# EAGLE board Mk4 Final Panel (EAGLE 9.0.1), part 14 of 18 (continued)
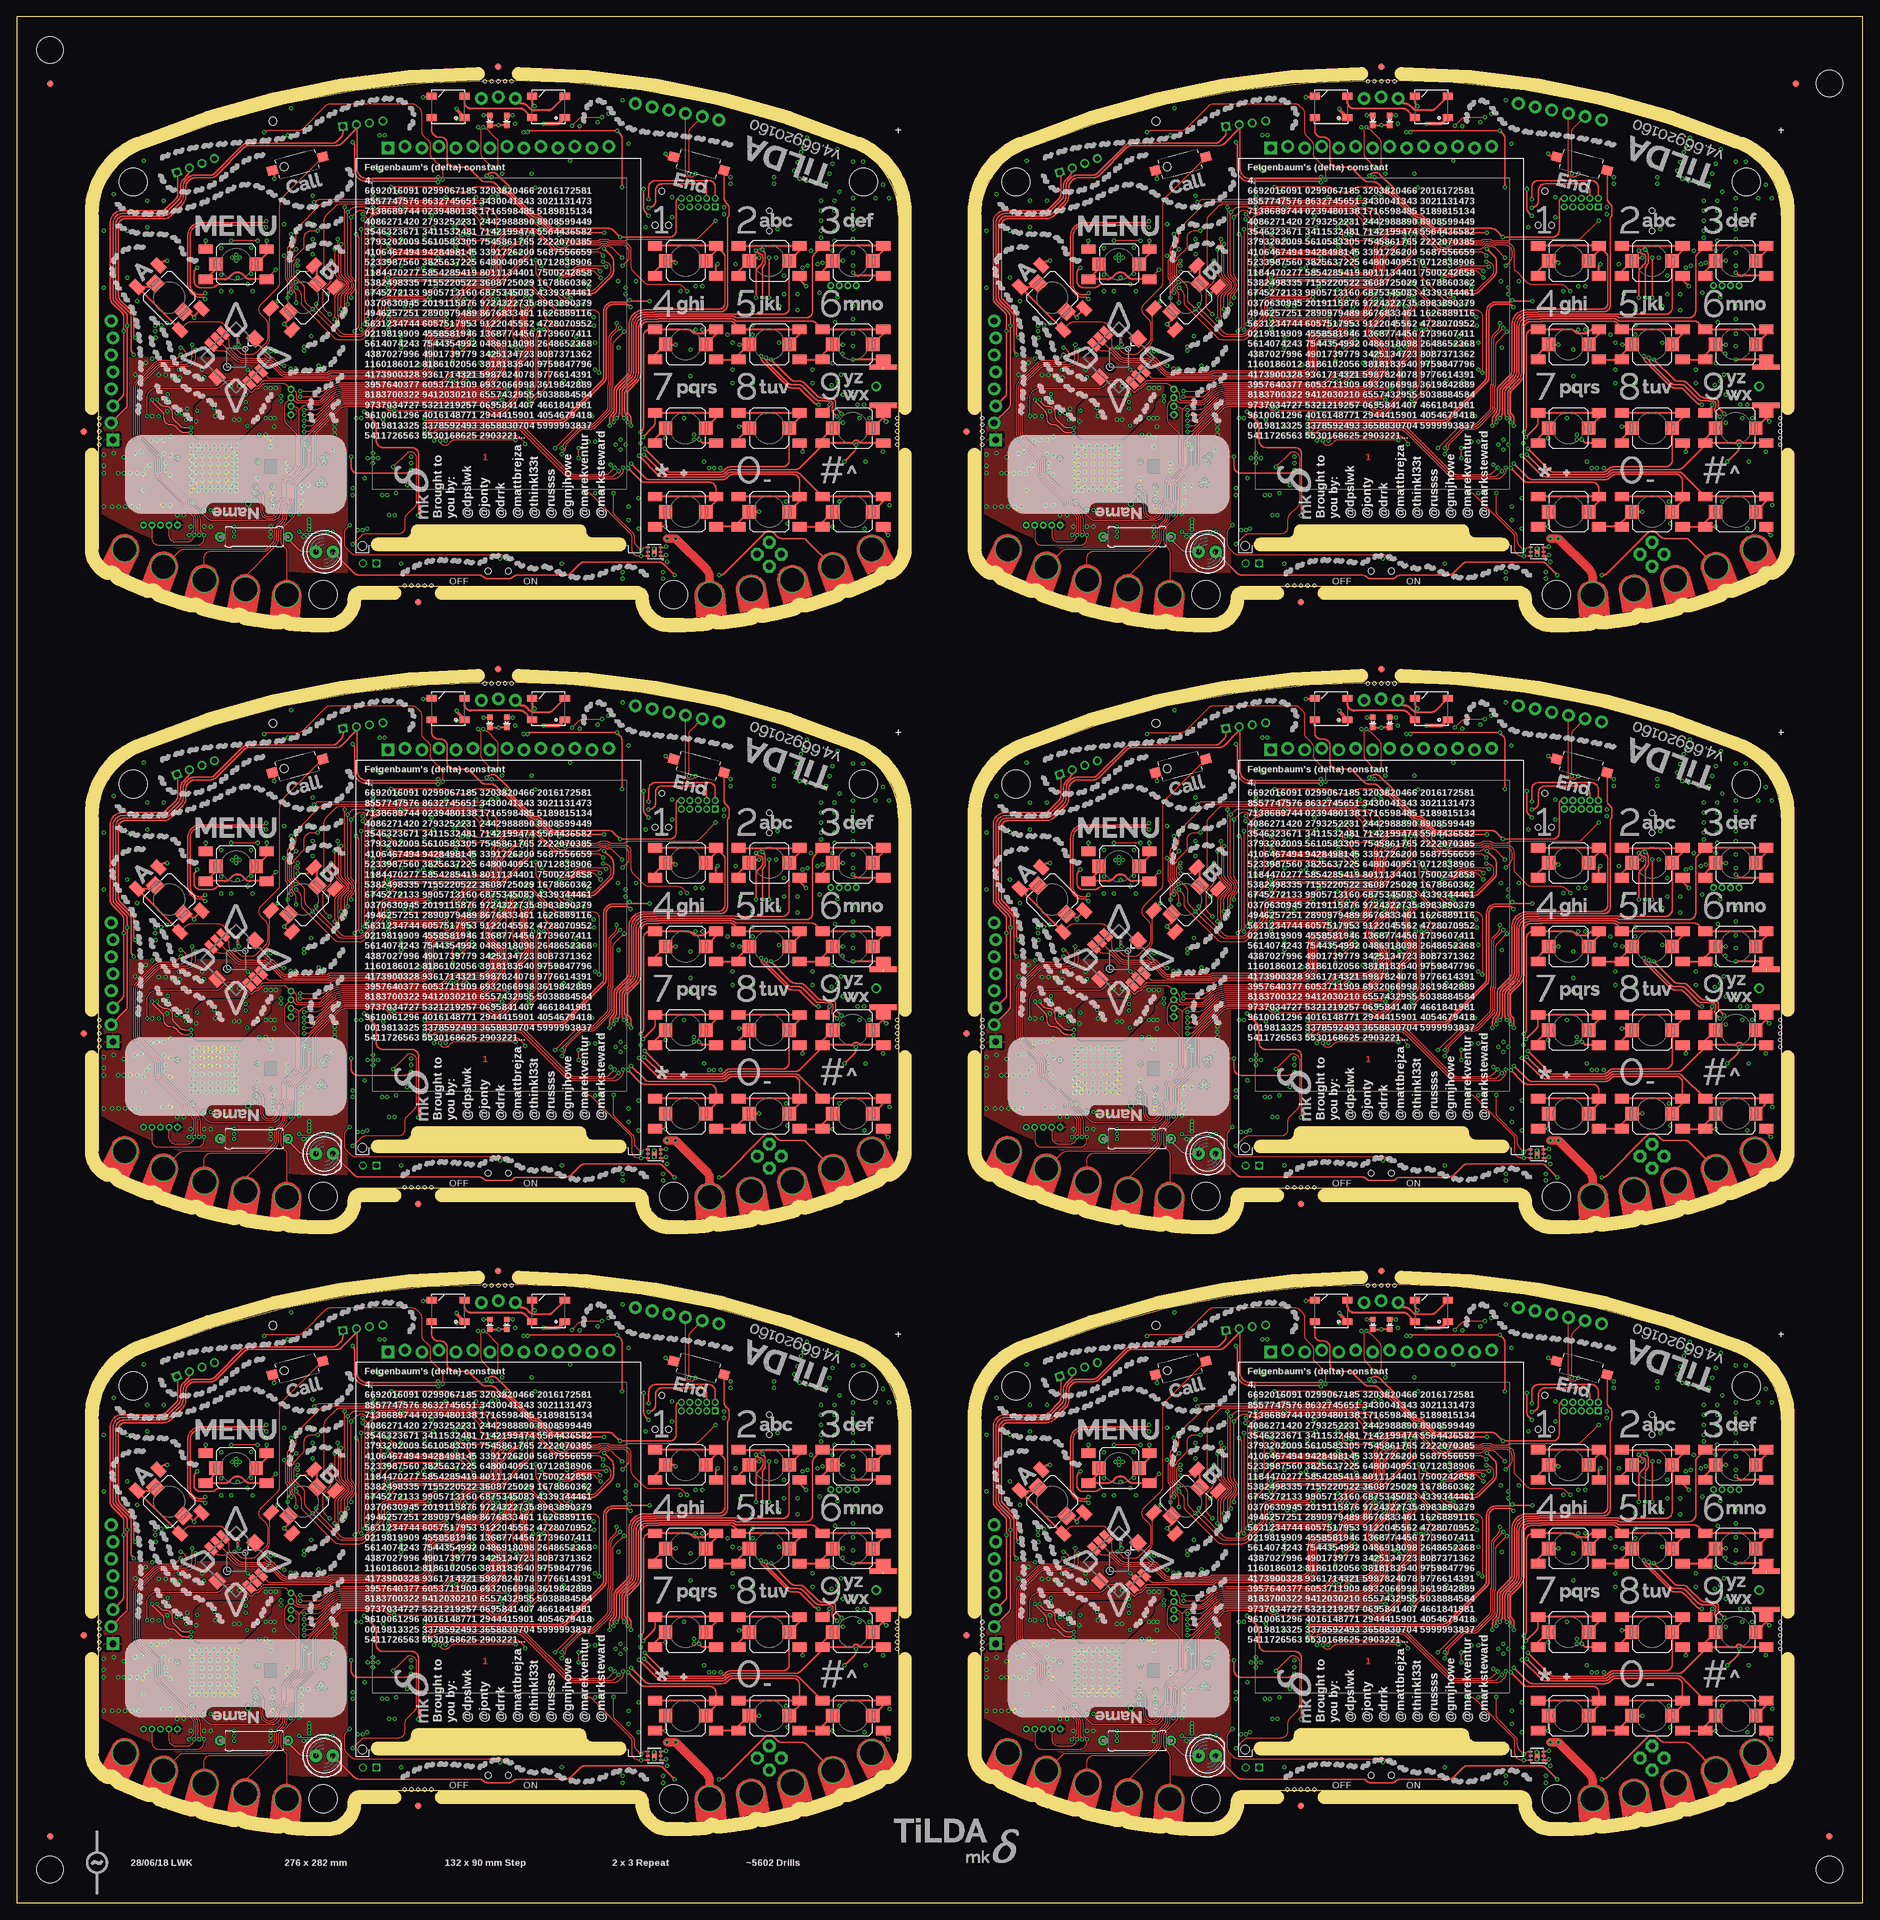
[diagram p0: board, top side]
## Tracks (layer width: path | path; a pad name or v marks a point on that pad's centre or on a via) (continued)
SIM_VDD4
  Bottom 0.3: C482.2 arc-45 127.5,206.85 127.5,208.84 arc-45 127.79,209.54 128.4,210.15 arc-45 129.1,210.44 J44.C1 130.11,211.2 arc-45 130.4,211.9 130.46,211.96 arc45 130.75,212.66 130.75,213.25 arc90 129.75,214.25 126,214.25 arc-90 125,215.25 125,216.09 arc45 124.71,216.79 124.54,216.96 arc-45 124.25,217.66 124.25,218.75 arc90 123.25,219.75 122.91,219.75 arc-45 122.21,220.04 121.54,220.71 arc-45 121.25,221.41 121.25,222.5 120.85,222.9 IC79.5 120.58,224.59 arc45 120.28,225.29 119.37,226.21 arc45 118.66,226.5 115.91,226.5 arc-45 115.21,226.79 113.79,228.21 arc-45 113.5,228.91 113.5,230.94 arc45 113.28,231.47 112.47,232.28 arc-45 112.25,232.81 112.25,238.34 arc-45 112.54,239.04 113.31,239.81 arc45 113.6,240.51 IC75.18
SIM_VDD5
  Bottom 0.3: C590.2 arc-45 259.5,206.85 259.5,208.84 arc-45 259.79,209.54 260.4,210.15 arc-45 261.1,210.44 J54.C1 262.11,211.2 arc-45 262.4,211.9 262.46,211.96 arc45 262.75,212.66 262.75,213.25 arc90 261.75,214.25 258,214.25 arc-90 257,215.25 257,216.09 arc45 256.71,216.79 256.54,216.96 arc-45 256.25,217.66 256.25,218.75 arc90 255.25,219.75 254.91,219.75 arc-45 254.21,220.04 253.54,220.71 arc-45 253.25,221.41 253.25,222.5 252.85,222.9 IC97.5 252.57,224.59 arc45 252.28,225.29 251.37,226.21 arc45 250.66,226.5 247.91,226.5 arc-45 247.21,226.79 245.79,228.21 arc-45 245.5,228.91 245.5,230.94 arc45 245.28,231.47 244.47,232.28 arc-45 244.25,232.81 244.25,238.34 arc-45 244.54,239.04 245.31,239.81 arc45 245.6,240.51 IC93.18
SOP0  (via drill 0.3)
  Top 0.2: v26.05,40.55 25.11,40.55 arc-45 24.41,40.84 23.54,41.71 arc-45 23.25,42.41 23.25,42.75 arc90 22.25,43.75 22.16,43.75 arc-45 21.46,44.04 21.18,44.32 arc-45 v21,44.75
  Bottom 0.2: IC15.35 26.75,39.44 arc45 26.46,40.14 v26.05,40.55 | R64.1 22.25,46.65 21.44,45.84 arc45 21,44.78 v21,44.75
SOP1  (via drill 0.3)
  Top 0.2: v20.25,44.75 arc45 20.43,44.32 21.71,43.04 arc-45 22,42.34 22,42 arc90 23,41 23.06,41 arc-45 23.77,40.71 24.38,40.09 arc45 25.09,39.8 v26,39.8
  Bottom 0.2: IC15.34 26.25,39.34 arc45 26.1,39.7 v26,39.8 | R63.1 21.2,46.7 20.69,46.19 arc45 20.25,45.13 v20.25,44.75
SOP2
  Bottom 0.15: IC15.21 24.42,32.75 arc90 24.17,32.5 24.17,29.43 R62.1
SOP3
  Bottom 0.15: IC29.21 156.43,32.75 arc90 156.18,32.5 156.18,29.43 R140.1
SOP4  (via drill 0.3)
  Top 0.2: v152.25,44.75 arc45 152.43,44.32 153.71,43.04 arc-45 154,42.34 154,42 arc90 155,41 155.06,41 arc-45 155.76,40.71 156.38,40.09 arc45 157.09,39.8 v158,39.8
  Bottom 0.2: IC29.34 158.25,39.34 arc45 158.1,39.7 v158,39.8 | R141.1 153.2,46.7 152.69,46.19 arc45 152.25,45.13 v152.25,44.75
SOP5  (via drill 0.3)
  Top 0.2: v158.05,40.55 157.11,40.55 arc-45 156.41,40.84 155.54,41.71 arc-45 155.25,42.41 155.25,42.75 arc90 154.25,43.75 154.16,43.75 arc-45 153.46,44.04 153.18,44.32 arc-45 v153,44.75
  Bottom 0.2: IC29.35 158.75,39.44 arc45 158.46,40.14 v158.05,40.55 | R142.1 154.25,46.65 153.44,45.84 arc45 153,44.78 v153,44.75
SOP6
  Bottom 0.15: IC47.21 24.42,122.75 arc90 24.17,122.5 24.17,119.42 R218.1
SOP7  (via drill 0.3)
  Top 0.2: v20.25,134.75 arc45 20.43,134.32 21.71,133.04 arc-45 22,132.34 22,132 arc90 23,131 23.06,131 arc-45 23.77,130.71 24.38,130.09 arc45 25.09,129.8 v26,129.8
  Bottom 0.2: IC47.34 26.25,129.34 arc45 26.1,129.7 v26,129.8 | R219.1 21.2,136.7 20.69,136.19 arc45 20.25,135.13 v20.25,134.75
SOP8  (via drill 0.3)
  Top 0.2: v26.05,130.55 25.11,130.55 arc-45 24.41,130.84 23.54,131.71 arc-45 23.25,132.41 23.25,132.75 arc90 22.25,133.75 22.16,133.75 arc-45 21.46,134.04 21.18,134.32 arc-45 v21,134.75
  Bottom 0.2: IC47.35 26.75,129.44 arc45 26.46,130.14 v26.05,130.55 | R220.1 22.25,136.65 21.44,135.84 arc45 21,134.78 v21,134.75
SOP9
  Bottom 0.15: IC65.21 156.43,122.75 arc90 156.18,122.5 156.18,119.42 R296.1
SOP10  (via drill 0.3)
  Top 0.2: v152.25,134.75 arc45 152.43,134.32 153.71,133.04 arc-45 154,132.34 154,132 arc90 155,131 155.06,131 arc-45 155.76,130.71 156.38,130.09 arc45 157.09,129.8 v158,129.8
  Bottom 0.2: IC65.34 158.25,129.34 arc45 158.1,129.7 v158,129.8 | R297.1 153.2,136.7 152.69,136.19 arc45 152.25,135.13 v152.25,134.75
SOP11  (via drill 0.3)
  Top 0.2: v158.05,130.55 157.11,130.55 arc-45 156.41,130.84 155.54,131.71 arc-45 155.25,132.41 155.25,132.75 arc90 154.25,133.75 154.16,133.75 arc-45 153.46,134.04 153.18,134.32 arc-45 v153,134.75
  Bottom 0.2: IC65.35 158.75,129.44 arc45 158.46,130.14 v158.05,130.55 | R298.1 154.25,136.65 153.44,135.84 arc45 153,134.78 v153,134.75
SOP12
  Bottom 0.15: IC83.21 24.42,212.75 arc90 24.17,212.5 24.17,209.43 R374.1
SOP13  (via drill 0.3)
  Top 0.2: v20.25,224.75 arc45 20.43,224.32 21.71,223.04 arc-45 22,222.34 22,222 arc90 23,221 23.06,221 arc-45 23.77,220.71 24.38,220.09 arc45 25.09,219.8 v26,219.8
  Bottom 0.2: IC83.34 26.25,219.34 arc45 26.1,219.7 v26,219.8 | R375.1 21.2,226.7 20.69,226.19 arc45 20.25,225.13 v20.25,224.75
SOP14  (via drill 0.3)
  Top 0.2: v26.05,220.55 25.11,220.55 arc-45 24.41,220.84 23.54,221.71 arc-45 23.25,222.41 23.25,222.75 arc90 22.25,223.75 22.16,223.75 arc-45 21.46,224.04 21.18,224.32 arc-45 v21,224.75
  Bottom 0.2: IC83.35 26.75,219.44 arc45 26.46,220.14 v26.05,220.55 | R376.1 22.25,226.65 21.44,225.84 arc45 21,224.78 v21,224.75
SOP15
  Bottom 0.15: IC101.21 156.43,212.75 arc90 156.18,212.5 156.18,209.43 R452.1
SOP16  (via drill 0.3)
  Top 0.2: v152.25,224.75 arc45 152.43,224.32 153.71,223.04 arc-45 154,222.34 154,222 arc90 155,221 155.06,221 arc-45 155.76,220.71 156.38,220.09 arc45 157.09,219.8 v158,219.8
  Bottom 0.2: IC101.34 158.25,219.34 arc45 158.1,219.7 v158,219.8 | R453.1 153.2,226.7 152.69,226.19 arc45 152.25,225.13 v152.25,224.75
SOP17  (via drill 0.3)
  Top 0.2: v158.05,220.55 157.11,220.55 arc-45 156.41,220.84 155.54,221.71 arc-45 155.25,222.41 155.25,222.75 arc90 154.25,223.75 154.16,223.75 arc-45 153.46,224.04 153.18,224.32 arc-45 v153,224.75
  Bottom 0.2: IC101.35 158.75,219.44 arc45 158.46,220.14 v158.05,220.55 | R454.1 154.25,226.65 153.44,225.84 arc45 153,224.78 v153,224.75
SPK_AMP_N
  Bottom 0.2: IC13.8 31.83,63.17 arc-90 30.83,62.17 28.34,62.17 arc45 27.63,61.88 U5.-
SPK_AMP_N1
  Bottom 0.2: IC28.8 163.82,63.17 arc-90 162.82,62.17 160.34,62.17 arc45 159.63,61.88 U6.-
SPK_AMP_N2
  Bottom 0.2: IC46.8 31.83,153.18 arc-90 30.83,152.18 28.34,152.18 arc45 27.63,151.88 U9.-
SPK_AMP_N3
  Bottom 0.2: IC64.8 163.82,153.18 arc-90 162.82,152.18 160.34,152.18 arc45 159.63,151.88 U12.-
SPK_AMP_N4
  Bottom 0.2: IC82.8 31.83,243.18 arc-90 30.83,242.18 28.34,242.18 arc45 27.63,241.88 U15.-
SPK_AMP_N5
  Bottom 0.2: IC100.8 163.82,243.18 arc-90 162.82,242.18 160.34,242.18 arc45 159.63,241.88 U18.-
SPK_AMP_P  (via drill 0.3)
  Top 0.2: v34.5,62 30.29,62 arc45 29.79,61.79 arc-45 29.09,61.5 27.5,61.5 arc-90 26.5,62.5 26.5,63.59 arc-45 26.79,64.29 v27,64.5
  Bottom 0.2: IC13.5 33.77,63.14 arc45 34.07,62.43 v34.5,62 | U5.+ 25.25,66.66 arc45 25.54,65.96 v27,64.5
SPK_AMP_P1  (via drill 0.3)
  Top 0.2: v166.5,62 162.29,62 arc45 161.79,61.79 arc-45 161.09,61.5 159.5,61.5 arc-90 158.5,62.5 158.5,63.59 arc-45 158.79,64.29 v159,64.5
  Bottom 0.2: IC28.5 165.78,63.14 arc45 166.07,62.43 v166.5,62 | U6.+ 157.25,66.66 arc45 157.54,65.96 v159,64.5
SPK_AMP_P2  (via drill 0.3)
  Top 0.2: v34.5,152 30.29,152 arc45 29.79,151.79 arc-45 29.09,151.5 27.5,151.5 arc-90 26.5,152.5 26.5,153.59 arc-45 26.79,154.29 v27,154.5
  Bottom 0.2: IC46.5 33.77,153.14 arc45 34.07,152.43 v34.5,152 | U9.+ 25.25,156.66 arc45 25.54,155.96 v27,154.5
SPK_AMP_P3  (via drill 0.3)
  Top 0.2: v166.5,152 162.29,152 arc45 161.79,151.79 arc-45 161.09,151.5 159.5,151.5 arc-90 158.5,152.5 158.5,153.59 arc-45 158.79,154.29 v159,154.5
  Bottom 0.2: IC64.5 165.78,153.14 arc45 166.07,152.43 v166.5,152 | U12.+ 157.25,156.66 arc45 157.54,155.96 v159,154.5
SPK_AMP_P4  (via drill 0.3)
  Top 0.2: v34.5,242 30.29,242 arc45 29.79,241.79 arc-45 29.09,241.5 27.5,241.5 arc-90 26.5,242.5 26.5,243.59 arc-45 26.79,244.29 v27,244.5
  Bottom 0.2: IC82.5 33.77,243.14 arc45 34.07,242.43 v34.5,242 | U15.+ 25.25,246.66 arc45 25.54,245.96 v27,244.5
SPK_AMP_P5  (via drill 0.3)
  Top 0.2: v166.5,242 162.29,242 arc45 161.79,241.79 arc-45 161.09,241.5 159.5,241.5 arc-90 158.5,242.5 158.5,243.59 arc-45 158.79,244.29 v159,244.5
  Bottom 0.2: IC100.5 165.78,243.14 arc45 166.07,242.43 v166.5,242 | U18.+ 157.25,246.66 arc45 157.54,245.96 v159,244.5
SPK_N  (via drill 0.3)
  Top 0.2: v61,41.9 61.23,41.67 81.21,41.67 arc45 81.92,41.97 87.46,47.51 arc45 87.75,48.21 87.75,57.92 arc-90 89.17,59.34 91.11,59.34 arc45 91.46,59.49 v91.59,59.62 91.76,59.45 v94.6,59.45 | v37.3,70.5 37.27,70.53 arc45 36.56,70.83 27.5,70.83 arc90 25.92,69.25 25.92,61.95 arc90 27.45,60.42 27.72,60.42 arc45 28.07,60.57 v28.2,60.7
  Bottom 0.2: IC5.12 104.6,59 C68.2 | C65.1 C68.2 | C67.1 C64.2 | C64.2 C68.2 | C64.2 101.17,58.67 96.46,58.67 arc-45 96.39,58.7 96.3,58.8 arc45 96.23,58.83 95.22,58.83 arc-90 v94.6,59.45 | v61,41.9 60.77,41.67 60.29,41.67 arc-45 59.58,41.97 57.27,44.28 arc45 56.8,44.48 56.69,44.48 arc-45 55.98,44.77 52.66,48.08 arc45 51.96,48.38 45.39,48.38 arc-45 44.68,48.67 41.87,51.48 arc-45 41.58,52.19 41.58,52.7 arc90 39.9,54.38 37.29,54.38 arc-45 36.58,54.67 34.37,56.88 arc45 33.66,57.17 30.4,57.17 arc-90 29.67,57.9 29.67,59.6 arc90 28.85,60.42 28.68,60.42 arc-45 28.33,60.57 v28.2,60.7 | 36.45,70.5 C82.2 36.5,70.5 v37.3,70.5 | v91.59,59.62 92.1,59.11 92.1,59.05 92.66,58.5 R43.1
SPK_N1  (via drill 0.3)
  Top 0.2: v193,41.9 193.22,41.67 213.21,41.67 arc45 213.92,41.97 219.46,47.51 arc45 219.75,48.21 219.75,57.92 arc-90 221.17,59.34 223.11,59.34 arc45 223.46,59.49 v223.59,59.62 223.76,59.45 v226.6,59.45 | v169.3,70.5 169.27,70.53 arc45 168.56,70.83 159.5,70.83 arc90 157.93,69.25 157.93,61.95 arc90 159.45,60.42 159.72,60.42 arc45 160.07,60.57 v160.2,60.7
  Bottom 0.2: IC21.12 236.6,59 C169.2 | C166.1 C169.2 | C168.1 C165.2 | C165.2 C169.2 | C165.2 233.18,58.67 228.46,58.67 arc-45 228.39,58.7 228.3,58.8 arc45 228.23,58.83 227.22,58.83 arc-90 v226.6,59.45 | v193,41.9 192.78,41.67 192.29,41.67 arc-45 191.58,41.97 189.26,44.28 arc45 188.8,44.48 188.69,44.48 arc-45 187.98,44.77 184.67,48.08 arc45 183.96,48.38 177.39,48.38 arc-45 176.68,48.67 173.87,51.48 arc-45 173.57,52.19 173.57,52.7 arc90 171.9,54.38 169.29,54.38 arc-45 168.58,54.67 166.37,56.88 arc45 165.66,57.17 162.4,57.17 arc-90 161.68,57.9 161.68,59.6 arc90 160.85,60.42 160.68,60.42 arc-45 160.33,60.57 v160.2,60.7 | 168.45,70.5 C183.2 168.5,70.5 v169.3,70.5 | v223.59,59.62 224.1,59.11 224.1,59.05 224.66,58.5 R125.1
SPK_N2  (via drill 0.3)
  Top 0.2: v61,131.9 61.23,131.68 81.21,131.68 arc45 81.92,131.97 87.46,137.5 arc45 87.75,138.21 87.75,147.93 arc-90 89.17,149.34 91.11,149.34 arc45 91.46,149.49 v91.59,149.62 91.76,149.45 v94.6,149.45 | v37.3,160.5 37.27,160.53 arc45 36.56,160.82 27.5,160.82 arc90 25.92,159.25 25.92,151.95 arc90 27.45,150.43 27.72,150.43 arc45 28.07,150.57 v28.2,150.7
  Bottom 0.2: IC39.12 104.6,149 C277.2 | C274.1 C277.2 | C276.1 C273.2 | C273.2 C277.2 | C273.2 101.17,148.68 96.46,148.68 arc-45 96.39,148.7 96.3,148.8 arc45 96.23,148.82 95.22,148.82 arc-90 v94.6,149.45 | v61,131.9 60.77,131.68 60.29,131.68 arc-45 59.58,131.97 57.27,134.28 arc45 56.8,134.47 56.69,134.47 arc-45 55.98,134.77 52.66,138.08 arc45 51.96,138.38 45.39,138.38 arc-45 44.68,138.67 41.87,141.48 arc-45 41.58,142.19 41.58,142.7 arc90 39.9,144.38 37.29,144.38 arc-45 36.58,144.67 34.37,146.88 arc45 33.66,147.18 30.4,147.18 arc-90 29.67,147.9 29.67,149.6 arc90 28.85,150.43 28.68,150.43 arc-45 28.33,150.57 v28.2,150.7 | 36.45,160.5 C291.2 36.5,160.5 v37.3,160.5 | v91.59,149.62 92.1,149.11 92.1,149.06 92.66,148.5 R203.1
SPK_N3  (via drill 0.3)
  Top 0.2: v193,131.9 193.22,131.68 213.21,131.68 arc45 213.92,131.97 219.46,137.5 arc45 219.75,138.21 219.75,147.93 arc-90 221.17,149.34 223.11,149.34 arc45 223.46,149.49 v223.59,149.62 223.76,149.45 v226.6,149.45 | v169.3,160.5 169.27,160.53 arc45 168.56,160.82 159.5,160.82 arc90 157.93,159.25 157.93,151.95 arc90 159.45,150.43 159.72,150.43 arc45 160.07,150.57 v160.2,150.7
  Bottom 0.2: IC57.12 236.6,149 C385.2 | C382.1 C385.2 | C384.1 C381.2 | C381.2 C385.2 | C381.2 233.18,148.68 228.46,148.68 arc-45 228.39,148.7 228.3,148.8 arc45 228.23,148.82 227.22,148.82 arc-90 v226.6,149.45 | v193,131.9 192.78,131.68 192.29,131.68 arc-45 191.58,131.97 189.26,134.28 arc45 188.8,134.47 188.69,134.47 arc-45 187.98,134.77 184.67,138.08 arc45 183.96,138.38 177.39,138.38 arc-45 176.68,138.67 173.87,141.48 arc-45 173.57,142.19 173.57,142.7 arc90 171.9,144.38 169.29,144.38 arc-45 168.58,144.67 166.37,146.88 arc45 165.66,147.18 162.4,147.18 arc-90 161.68,147.9 161.68,149.6 arc90 160.85,150.43 160.68,150.43 arc-45 160.33,150.57 v160.2,150.7 | 168.45,160.5 C399.2 168.5,160.5 v169.3,160.5 | v223.59,149.62 224.1,149.11 224.1,149.06 224.66,148.5 R281.1
SPK_N4  (via drill 0.3)
  Top 0.2: v61,221.9 61.23,221.68 81.21,221.68 arc45 81.92,221.97 87.46,227.5 arc45 87.75,228.21 87.75,237.93 arc-90 89.17,239.34 91.11,239.34 arc45 91.46,239.49 v91.59,239.62 91.76,239.45 v94.6,239.45 | v37.3,250.5 37.27,250.53 arc45 36.56,250.82 27.5,250.82 arc90 25.92,249.25 25.92,241.95 arc90 27.45,240.43 27.72,240.43 arc45 28.07,240.57 v28.2,240.7
  Bottom 0.2: IC75.12 104.6,239 C493.2 | C490.1 C493.2 | C492.1 C489.2 | C489.2 C493.2 | C489.2 101.17,238.68 96.46,238.68 arc-45 96.39,238.7 96.3,238.8 arc45 96.23,238.82 95.22,238.82 arc-90 v94.6,239.45 | v61,221.9 60.77,221.68 60.29,221.68 arc-45 59.58,221.97 57.27,224.28 arc45 56.8,224.47 56.69,224.47 arc-45 55.98,224.77 52.66,228.08 arc45 51.96,228.38 45.39,228.38 arc-45 44.68,228.67 41.87,231.48 arc-45 41.58,232.19 41.58,232.7 arc90 39.9,234.38 37.29,234.38 arc-45 36.58,234.67 34.37,236.88 arc45 33.66,237.18 30.4,237.18 arc-90 29.67,237.9 29.67,239.6 arc90 28.85,240.43 28.68,240.43 arc-45 28.33,240.57 v28.2,240.7 | 36.45,250.5 C507.2 36.5,250.5 v37.3,250.5 | v91.59,239.62 92.1,239.11 92.1,239.06 92.66,238.5 R359.1
SPK_N5  (via drill 0.3)
  Top 0.2: v193,221.9 193.22,221.68 213.21,221.68 arc45 213.92,221.97 219.46,227.5 arc45 219.75,228.21 219.75,237.93 arc-90 221.17,239.34 223.11,239.34 arc45 223.46,239.49 v223.59,239.62 223.76,239.45 v226.6,239.45 | v169.3,250.5 169.27,250.53 arc45 168.56,250.82 159.5,250.82 arc90 157.93,249.25 157.93,241.95 arc90 159.45,240.43 159.72,240.43 arc45 160.07,240.57 v160.2,240.7
  Bottom 0.2: IC93.12 236.6,239 C601.2 | C598.1 C601.2 | C600.1 C597.2 | C597.2 C601.2 | C597.2 233.18,238.68 228.46,238.68 arc-45 228.39,238.7 228.3,238.8 arc45 228.23,238.82 227.22,238.82 arc-90 v226.6,239.45 | v193,221.9 192.78,221.68 192.29,221.68 arc-45 191.58,221.97 189.26,224.28 arc45 188.8,224.47 188.69,224.47 arc-45 187.98,224.77 184.67,228.08 arc45 183.96,228.38 177.39,228.38 arc-45 176.68,228.67 173.87,231.48 arc-45 173.57,232.19 173.57,232.7 arc90 171.9,234.38 169.29,234.38 arc-45 168.58,234.67 166.37,236.88 arc45 165.66,237.18 162.4,237.18 arc-90 161.68,237.9 161.68,239.6 arc90 160.85,240.43 160.68,240.43 arc-45 160.33,240.57 v160.2,240.7 | 168.45,250.5 C615.2 168.5,250.5 v169.3,250.5 | v223.59,239.62 224.1,239.11 224.1,239.06 224.66,238.5 R437.1
SPK_P  (via drill 0.3)
  Top 0.2: v61,41.1 61.23,41.33 81.36,41.33 arc45 82.06,41.62 87.81,47.36 arc45 88.1,48.07 88.1,57.92 arc-90 89.17,58.99 91.16,58.99 arc-45 91.51,58.84 v91.75,58.61 | v37.3,71.45 arc-45 36.64,71.17 27.5,71.17 arc90 25.58,69.25 25.58,61.95 arc90 27.45,60.08 27.72,60.08 arc-45 28.07,59.93 v28.2,59.8
  Bottom 0.2: IC5.11 102.55,57.95 C68.1 | C68.1 C64.1 | C69.1 C68.1 | C66.1 C64.1 | C64.1 101.17,58.33 96.32,58.33 arc-45 96.25,58.35 96.16,58.45 arc45 96.09,58.48 93.78,58.48 R45.1 93.11,57.86 arc-90 92.4,57.86 91.75,58.51 v91.75,58.61 | v61,41.1 60.77,41.33 60.14,41.33 arc-45 59.44,41.62 57.02,44.03 arc45 56.8,44.12 56.54,44.12 arc-45 55.84,44.42 52.52,47.73 arc45 51.81,48.02 45.24,48.02 arc-45 44.53,48.32 41.52,51.34 arc-45 41.23,52.04 41.23,52.7 arc90 39.9,54.02 37.14,54.02 arc-45 36.44,54.32 34.22,56.53 arc45 33.51,56.83 30.4,56.83 arc-90 29.33,57.9 29.33,59.6 arc90 28.85,60.08 28.68,60.08 arc45 28.33,59.93 v28.2,59.8 | C83.2 v37.3,71.45
SPK_P1  (via drill 0.3)
  Top 0.2: v193,41.1 193.22,41.33 213.36,41.33 arc45 214.06,41.62 219.81,47.36 arc45 220.1,48.07 220.1,57.92 arc-90 221.17,58.99 223.16,58.99 arc-45 223.51,58.84 v223.75,58.61 | v169.3,71.45 arc-45 168.64,71.17 159.5,71.17 arc90 157.57,69.25 157.57,61.95 arc90 159.45,60.08 159.72,60.08 arc-45 160.07,59.93 v160.2,59.8
  Bottom 0.2: IC21.11 234.55,57.95 C169.1 | C169.1 C165.1 | C170.1 C169.1 | C167.1 C165.1 | C165.1 233.18,58.33 228.32,58.33 arc-45 228.25,58.35 228.16,58.45 arc45 228.09,58.48 225.78,58.48 R126.1 225.11,57.86 arc-90 224.4,57.86 223.75,58.51 v223.75,58.61 | v193,41.1 192.78,41.33 192.14,41.33 arc-45 191.44,41.62 189.02,44.03 arc45 188.8,44.12 188.54,44.12 arc-45 187.83,44.42 184.52,47.73 arc45 183.81,48.02 177.24,48.02 arc-45 176.53,48.32 173.52,51.34 arc-45 173.22,52.04 173.22,52.7 arc90 171.9,54.02 169.14,54.02 arc-45 168.44,54.32 166.22,56.53 arc45 165.51,56.83 162.4,56.83 arc-90 161.32,57.9 161.32,59.6 arc90 160.85,60.08 160.68,60.08 arc45 160.33,59.93 v160.2,59.8 | C184.2 v169.3,71.45
SPK_P2  (via drill 0.3)
  Top 0.2: v61,131.1 61.23,131.32 81.36,131.32 arc45 82.06,131.62 87.81,137.36 arc45 88.1,138.07 88.1,147.93 arc-90 89.17,148.99 91.16,148.99 arc-45 91.51,148.84 v91.75,148.61 | v37.3,161.45 arc-45 36.64,161.18 27.5,161.18 arc90 25.58,159.25 25.58,151.95 arc90 27.45,150.07 27.72,150.07 arc-45 28.07,149.93 v28.2,149.8
  Bottom 0.2: IC39.11 102.55,147.95 C277.1 | C277.1 C273.1 | C278.1 C277.1 | C275.1 C273.1 | C273.1 101.17,148.32 96.32,148.32 arc-45 96.25,148.35 96.16,148.45 arc45 96.09,148.47 93.78,148.47 R204.1 93.11,147.86 arc-90 92.4,147.86 91.75,148.51 v91.75,148.61 | v61,131.1 60.77,131.32 60.14,131.32 arc-45 59.44,131.62 57.02,134.03 arc45 56.8,134.12 56.54,134.12 arc-45 55.84,134.42 52.52,137.73 arc45 51.81,138.03 45.24,138.03 arc-45 44.53,138.32 41.52,141.34 arc-45 41.23,142.04 41.23,142.7 arc90 39.9,144.03 37.14,144.03 arc-45 36.44,144.32 34.22,146.53 arc45 33.51,146.82 30.4,146.82 arc-90 29.33,147.9 29.33,149.6 arc90 28.85,150.07 28.68,150.07 arc45 28.33,149.93 v28.2,149.8 | C292.2 v37.3,161.45
SPK_P3  (via drill 0.3)
  Top 0.2: v193,131.1 193.22,131.32 213.36,131.32 arc45 214.06,131.62 219.81,137.36 arc45 220.1,138.07 220.1,147.93 arc-90 221.17,148.99 223.16,148.99 arc-45 223.51,148.84 v223.75,148.61 | v169.3,161.45 arc-45 168.64,161.18 159.5,161.18 arc90 157.57,159.25 157.57,151.95 arc90 159.45,150.07 159.72,150.07 arc-45 160.07,149.93 v160.2,149.8
  Bottom 0.2: IC57.11 234.55,147.95 C385.1 | C385.1 C381.1 | C386.1 C385.1 | C383.1 C381.1 | C381.1 233.18,148.32 228.32,148.32 arc-45 228.25,148.35 228.16,148.45 arc45 228.09,148.47 225.78,148.47 R282.1 225.11,147.86 arc-90 224.4,147.86 223.75,148.51 v223.75,148.61 | v193,131.1 192.78,131.32 192.14,131.32 arc-45 191.44,131.62 189.02,134.03 arc45 188.8,134.12 188.54,134.12 arc-45 187.83,134.42 184.52,137.73 arc45 183.81,138.03 177.24,138.03 arc-45 176.53,138.32 173.52,141.34 arc-45 173.22,142.04 173.22,142.7 arc90 171.9,144.03 169.14,144.03 arc-45 168.44,144.32 166.22,146.53 arc45 165.51,146.82 162.4,146.82 arc-90 161.32,147.9 161.32,149.6 arc90 160.85,150.07 160.68,150.07 arc45 160.33,149.93 v160.2,149.8 | C400.2 v169.3,161.45
SPK_P4  (via drill 0.3)
  Top 0.2: v61,221.1 61.23,221.32 81.36,221.32 arc45 82.06,221.62 87.81,227.36 arc45 88.1,228.07 88.1,237.93 arc-90 89.17,238.99 91.16,238.99 arc-45 91.51,238.84 v91.75,238.61 | v37.3,251.45 arc-45 36.64,251.18 27.5,251.18 arc90 25.58,249.25 25.58,241.95 arc90 27.45,240.07 27.72,240.07 arc-45 28.07,239.93 v28.2,239.8
  Bottom 0.2: IC75.11 102.55,237.95 C493.1 | C493.1 C489.1 | C494.1 C493.1 | C491.1 C489.1 | C489.1 101.17,238.32 96.32,238.32 arc-45 96.25,238.35 96.16,238.45 arc45 96.09,238.47 93.78,238.47 R360.1 93.11,237.86 arc-90 92.4,237.86 91.75,238.51 v91.75,238.61 | v61,221.1 60.77,221.32 60.14,221.32 arc-45 59.44,221.62 57.02,224.03 arc45 56.8,224.12 56.54,224.12 arc-45 55.84,224.42 52.52,227.73 arc45 51.81,228.03 45.24,228.03 arc-45 44.53,228.32 41.52,231.34 arc-45 41.23,232.04 41.23,232.7 arc90 39.9,234.03 37.14,234.03 arc-45 36.44,234.32 34.22,236.53 arc45 33.51,236.82 30.4,236.82 arc-90 29.33,237.9 29.33,239.6 arc90 28.85,240.07 28.68,240.07 arc45 28.33,239.93 v28.2,239.8 | C508.2 v37.3,251.45
SPK_P5  (via drill 0.3)
  Top 0.2: v193,221.1 193.22,221.32 213.36,221.32 arc45 214.06,221.62 219.81,227.36 arc45 220.1,228.07 220.1,237.93 arc-90 221.17,238.99 223.16,238.99 arc-45 223.51,238.84 v223.75,238.61 | v169.3,251.45 arc-45 168.64,251.18 159.5,251.18 arc90 157.57,249.25 157.57,241.95 arc90 159.45,240.07 159.72,240.07 arc-45 160.07,239.93 v160.2,239.8
  Bottom 0.2: IC93.11 234.55,237.95 C601.1 | C601.1 C597.1 | C602.1 C601.1 | C599.1 C597.1 | C597.1 233.18,238.32 228.32,238.32 arc-45 228.25,238.35 228.16,238.45 arc45 228.09,238.47 225.78,238.47 R438.1 225.11,237.86 arc-90 224.4,237.86 223.75,238.51 v223.75,238.61 | v193,221.1 192.78,221.32 192.14,221.32 arc-45 191.44,221.62 189.02,224.03 arc45 188.8,224.12 188.54,224.12 arc-45 187.83,224.42 184.52,227.73 arc45 183.81,228.03 177.24,228.03 arc-45 176.53,228.32 173.52,231.34 arc-45 173.22,232.04 173.22,232.7 arc90 171.9,234.03 169.14,234.03 arc-45 168.44,234.32 166.22,236.53 arc45 165.51,236.82 162.4,236.82 arc-90 161.32,237.9 161.32,239.6 arc90 160.85,240.07 160.68,240.07 arc45 160.33,239.93 v160.2,239.8 | C616.2 v169.3,251.45
SPK_R_N
  Bottom 0.15: R45.2 R46.1 arc45 93.97,62.04 IC11.5
SPK_R_N1
  Bottom 0.15: R126.2 R127.1 arc45 225.97,62.04 IC26.5
SPK_R_N2
  Bottom 0.15: R204.2 R205.1 arc45 93.97,152.04 IC44.5
SPK_R_N3
  Bottom 0.15: R282.2 R283.1 arc45 225.97,152.04 IC62.5
SPK_R_N4
  Bottom 0.15: R360.2 R361.1 arc45 93.97,242.04 IC80.5
SPK_R_N5
  Bottom 0.15: R438.2 R439.1 arc45 225.97,242.04 IC98.5
SPK_R_P
  Bottom 0.15: R43.2 R51.1 R50.1 93.03,61.78 arc45 93.33,62.49 IC11.6
SPK_R_P1
  Bottom 0.15: R125.2 R129.1 R128.1 225.03,61.78 arc45 225.32,62.49 IC26.6
SPK_R_P2
  Bottom 0.15: R203.2 R207.1 R206.1 93.03,151.78 arc45 93.33,152.49 IC44.6
SPK_R_P3
  Bottom 0.15: R281.2 R285.1 R284.1 225.03,151.78 arc45 225.32,152.49 IC62.6
SPK_R_P4
  Bottom 0.15: R359.2 R363.1 R362.1 93.03,241.78 arc45 93.33,242.49 IC80.6
SPK_R_P5
  Bottom 0.15: R437.2 R441.1 R440.1 225.03,241.78 arc45 225.32,242.49 IC98.6
SSI0_LCD_CLK
  Bottom 0.15: J2.37 66.25,50.09 arc-45 66.54,50.79 66.91,51.16 arc45 67.2,51.86 67.2,53.03 arc45 67.15,53.15 66.11,54.19 arc45 64.88,54.7 64.2,54.7 arc-90 63.2,55.7 63.2,59.1 arc-90 63.7,59.6 IC1.35
SSI0_LCD_CLK1
  Bottom 0.15: J6.37 198.25,50.09 arc-45 198.54,50.79 198.91,51.16 arc45 199.2,51.86 199.2,53.03 arc45 199.15,53.15 198.11,54.19 arc45 196.88,54.7 196.2,54.7 arc-90 195.2,55.7 195.2,59.1 arc-90 195.7,59.6 IC20.35
SSI0_LCD_CLK2
  Bottom 0.15: J21.37 66.25,140.09 arc-45 66.54,140.79 66.91,141.16 arc45 67.2,141.86 67.2,143.03 arc45 67.15,143.15 66.11,144.19 arc45 64.88,144.7 64.2,144.7 arc-90 63.2,145.7 63.2,149.1 arc-90 63.7,149.6 IC38.35
SSI0_LCD_CLK3
  Bottom 0.15: J31.37 198.25,140.09 arc-45 198.54,140.79 198.91,141.16 arc45 199.2,141.86 199.2,143.03 arc45 199.15,143.15 198.11,144.19 arc45 196.88,144.7 196.2,144.7 arc-90 195.2,145.7 195.2,149.1 arc-90 195.7,149.6 IC56.35
SSI0_LCD_CLK4
  Bottom 0.15: J41.37 66.25,230.09 arc-45 66.54,230.79 66.91,231.16 arc45 67.2,231.86 67.2,233.03 arc45 67.15,233.15 66.11,234.19 arc45 64.88,234.7 64.2,234.7 arc-90 63.2,235.7 63.2,239.1 arc-90 63.7,239.6 IC74.35
SSI0_LCD_CLK5
  Bottom 0.15: J51.37 198.25,230.09 arc-45 198.54,230.79 198.91,231.16 arc45 199.2,231.86 199.2,233.03 arc45 199.15,233.15 198.11,234.19 arc45 196.88,234.7 196.2,234.7 arc-90 195.2,235.7 195.2,239.1 arc-90 195.7,239.6 IC92.35
SSI0_LCD_CS
  Bottom 0.15: J2.38 65.75,50.09 arc-45 66.04,50.79 66.58,51.33 arc45 66.88,52.04 66.88,52.92 arc45 66.82,53.06 65.92,53.96 arc45 64.85,54.4 64.15,54.4 arc-90 62.9,55.65 62.9,59.25 arc-90 63.65,60 IC1.36
SSI0_LCD_CS1
  Bottom 0.15: J6.38 197.75,50.09 arc-45 198.04,50.79 198.58,51.33 arc45 198.88,52.04 198.88,52.92 arc45 198.82,53.06 197.92,53.96 arc45 196.85,54.4 196.15,54.4 arc-90 194.9,55.65 194.9,59.25 arc-90 195.65,60 IC20.36
SSI0_LCD_CS2
  Bottom 0.15: J21.38 65.75,140.09 arc-45 66.04,140.79 66.58,141.33 arc45 66.88,142.04 66.88,142.92 arc45 66.82,143.06 65.92,143.96 arc45 64.85,144.4 64.15,144.4 arc-90 62.9,145.65 62.9,149.25 arc-90 63.65,150 IC38.36
SSI0_LCD_CS3